# KiCad board project.kicad_pcb
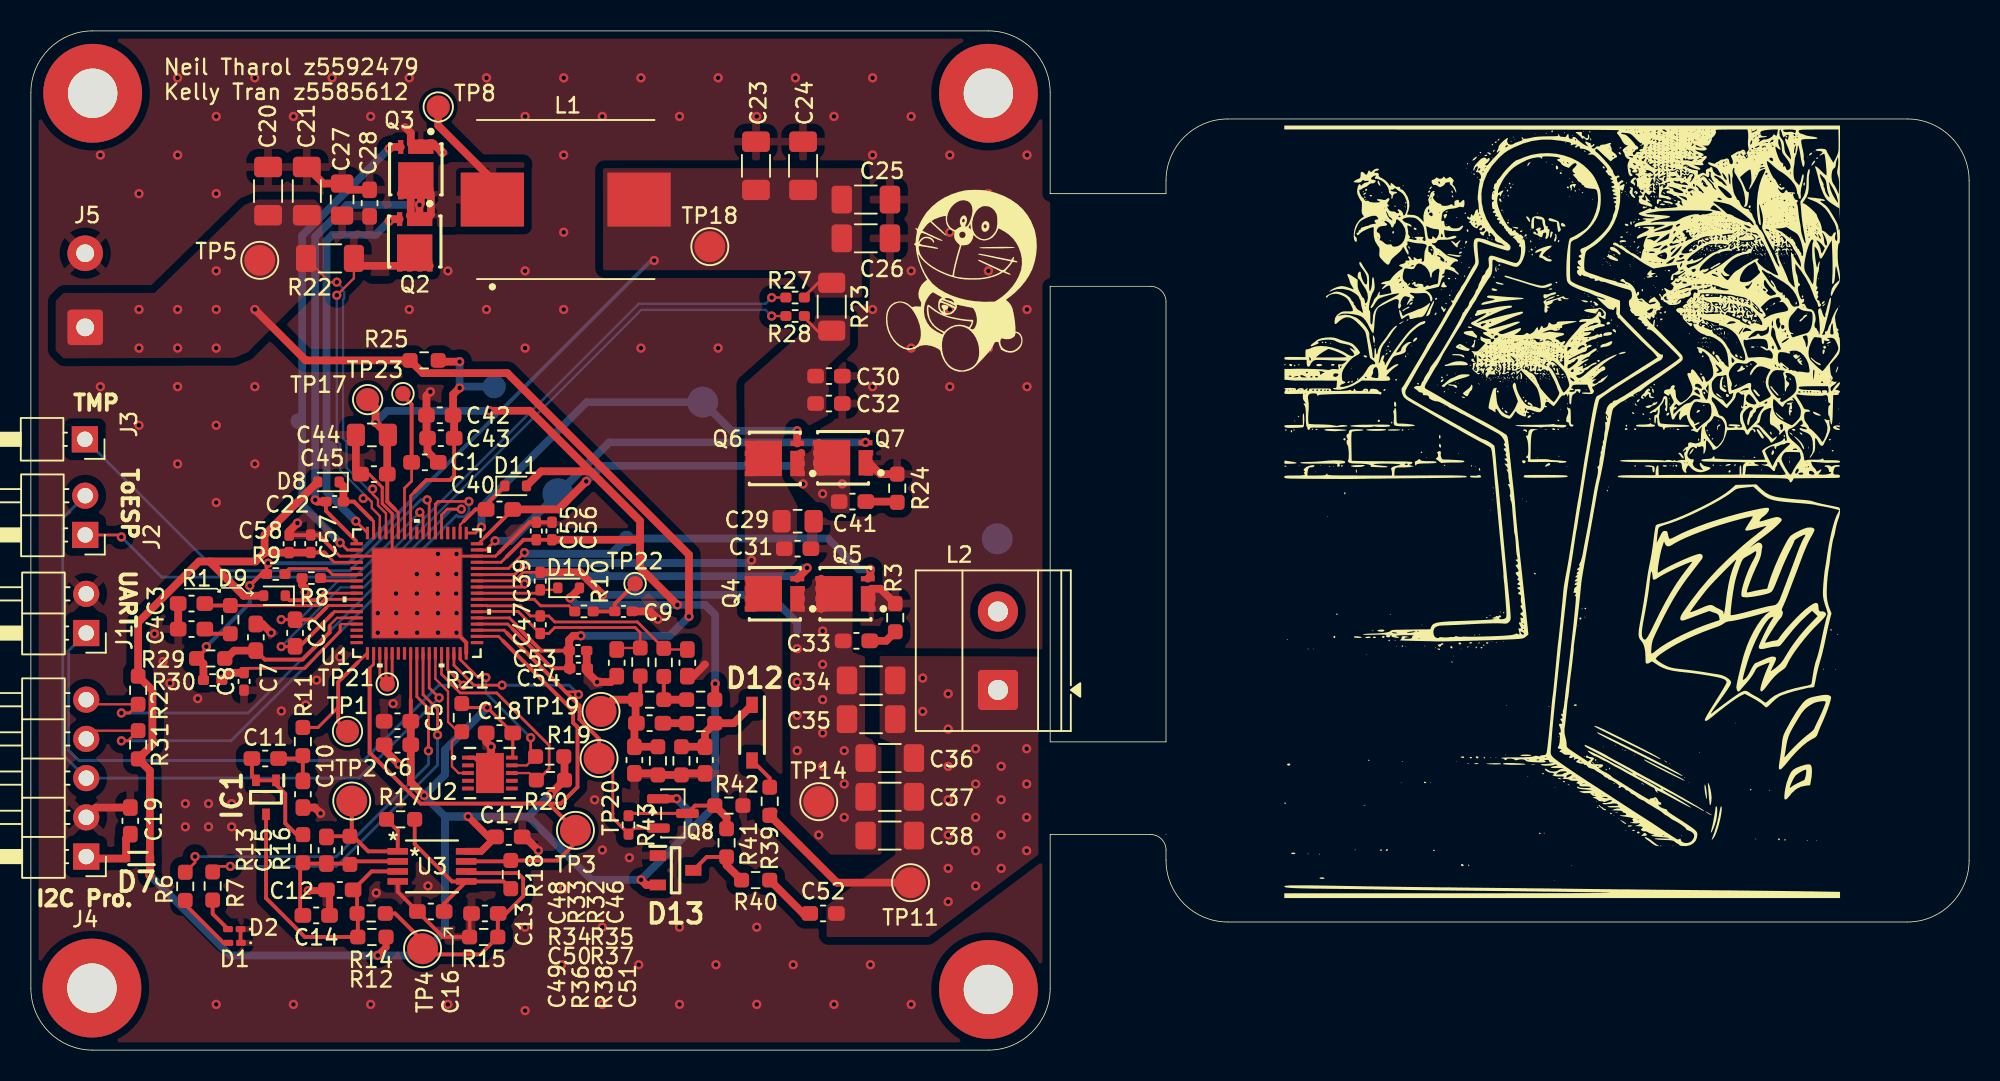
[diagram p0: board, top side]
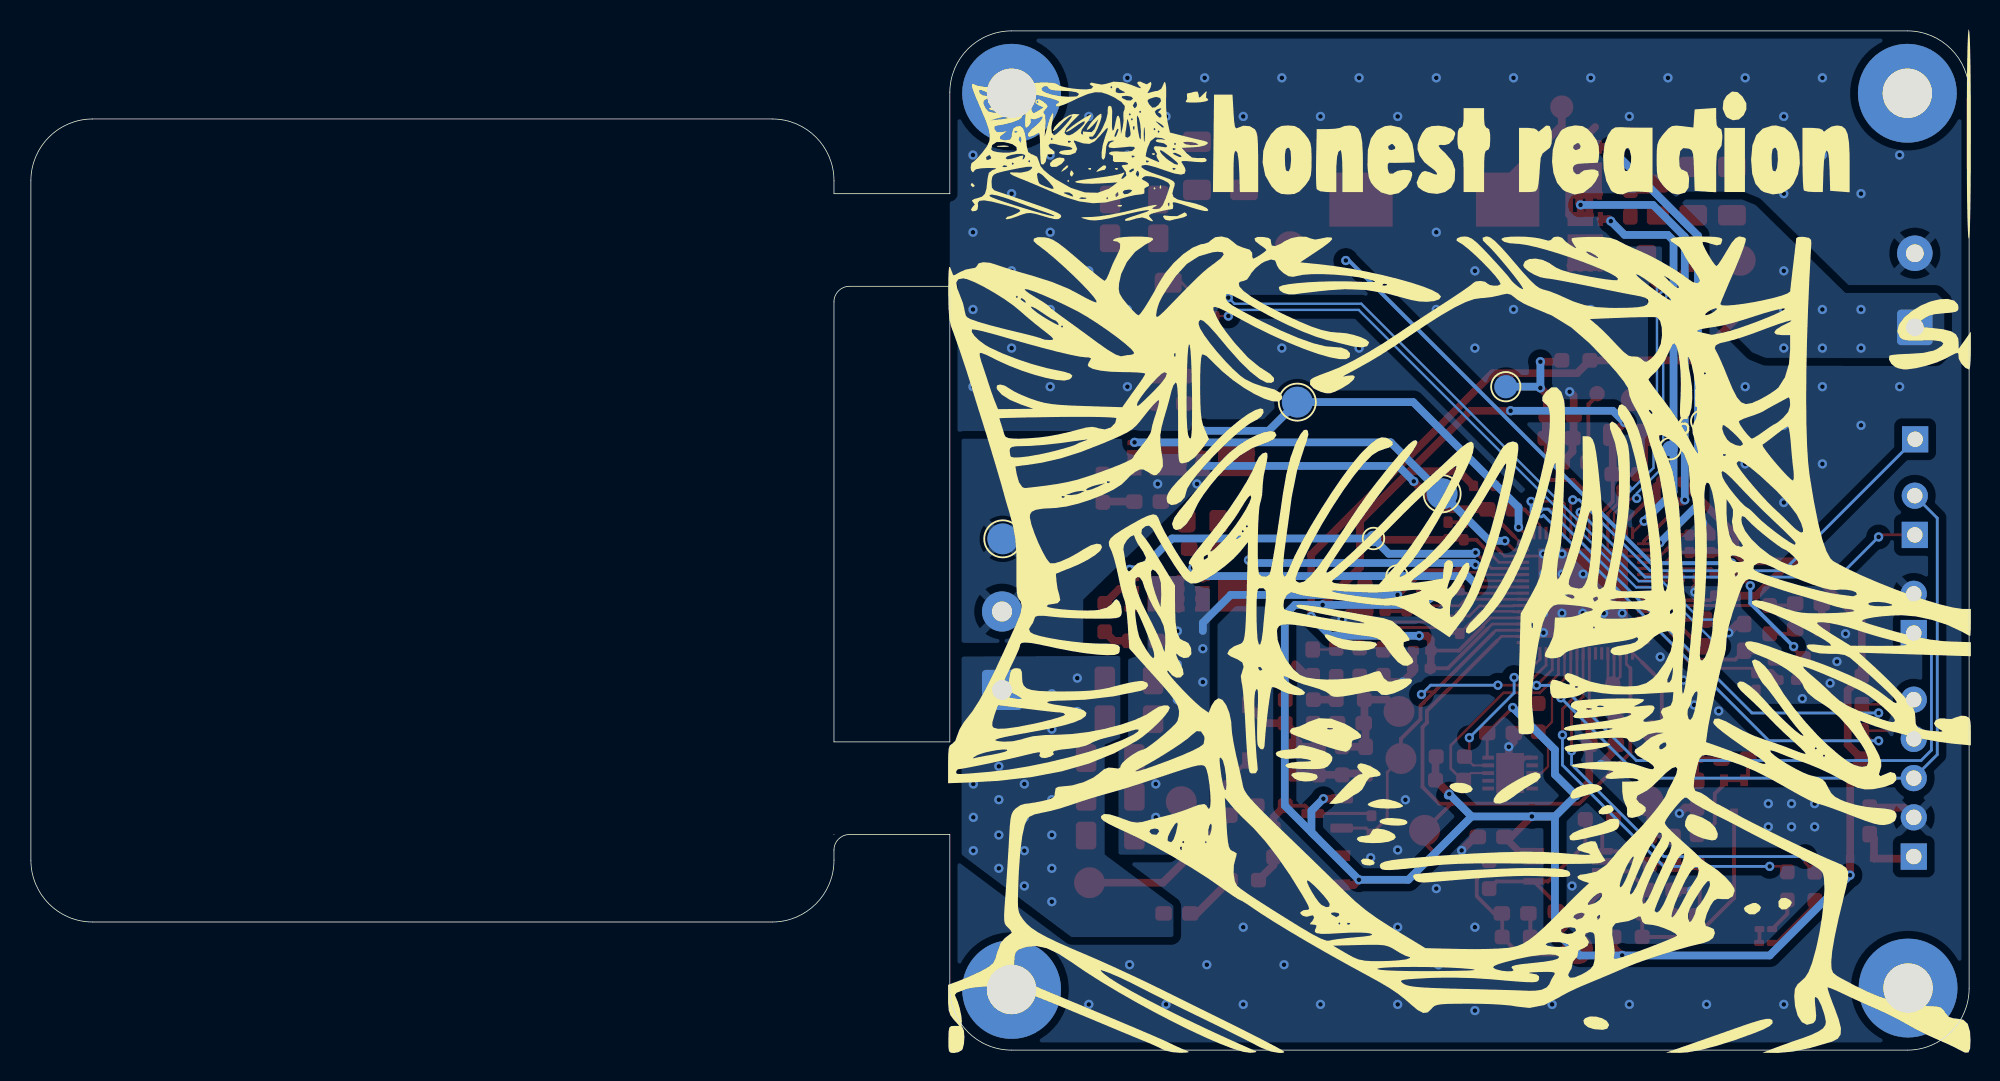
[diagram p1: board, bottom side, seen from below]

Outline 125.5 x 66 mm; copper layers: Top, Bottom. Coordinates in mm from the lower left corner of the outline.
Outline path: 0,62 arc(1.17,64.83) 4,66 62,66 arc(64.83,64.83) 66,62 66,55.46 73.5,55.46 73.5,56.3 arc(74.67,59.12) 77.5,60.3 121.5,60.3 arc(124.33,59.12) 125.5,56.3 125.5,12.3 arc(124.33,9.47) 121.5,8.3 77.5,8.3 arc(74.67,9.47) 73.5,12.3 73.5,12.96 arc(73.21,13.67) 72.5,13.96 66,13.96 66,4 arc(64.83,1.17) 62,0 4,0 arc(1.17,1.17) 0,4 0,62 ; 66,49.46 66,19.96 73.5,19.96 73.5,48.46 arc(73.21,49.17) 72.5,49.46 66,49.46
Stack: Top 0.035mm / dielectric 1.51mm FR4 er 4.5 / Bottom 0.035mm

## Placement (name value [footprint] x y rotation side)
C1  0.1u  [C_0603_1608Metric_Pad1.08x0.95mm_HandSolder]  25.51 38.06 0 top
C2  2.2u  [C_0603_1608Metric_Pad1.08x0.95mm_HandSolder]  17.11 27.01 270 top
C3  1n  [C_0603_1608Metric_Pad1.08x0.95mm_HandSolder]  10.4 28.92 0 top
C4  0.47u  [C_0603_1608Metric_Pad1.08x0.95mm_HandSolder]  10.4 27.26 0 top
C5  0.1u  [C_0603_1608Metric_Pad1.08x0.95mm_HandSolder]  23.74 21.3 0 top
C6  1u  [C_0603_1608Metric_Pad1.08x0.95mm_HandSolder]  23.74 19.77 0 top
C7  0.1u  [C_0603_1608Metric_Pad1.08x0.95mm_HandSolder]  14.57 26.73 270 top
C8  0.1u  [C_0402_1005Metric_Pad0.74x0.62mm_HandSolder]  13.8 23.87 90 top
C9  10p  [C_0402_1005Metric_Pad0.74x0.62mm_HandSolder]  38.37 28.41 0 top  (not fitted)
C10  22nf  [C_0603_1608Metric_Pad1.08x0.95mm_HandSolder]  17.61 16.57 270 top
C11  0.22uf  [C_0603_1608Metric_Pad1.08x0.95mm_HandSolder]  15.17 18.88 180 top
C12  22n  [C_0603_1608Metric_Pad1.08x0.95mm_HandSolder]  20 10.37 180 top
C13  0.1u  [C_0603_1608Metric_Pad1.08x0.95mm_HandSolder]  29.4 8.85 180 top
C14  330p  [C_0603_1608Metric_Pad1.08x0.95mm_HandSolder]  18.48 8.72 180 top  (not fitted)
C15  150p  [C_0603_1608Metric_Pad1.08x0.95mm_HandSolder]  19.14 12.94 90 top
C16  10n  [C_0603_1608Metric_Pad1.08x0.95mm_HandSolder]  25.89 8.98 0 top  (not fitted)
C17  0.1u  [C_0603_1608Metric_Pad1.08x0.95mm_HandSolder]  30.95 13.8 0 top
C18  1u  [C_0603_1608Metric_Pad1.08x0.95mm_HandSolder]  30.34 20.53 0 top
C19  0.1u  [C_0603_1608Metric_Pad1.08x0.95mm_HandSolder]  6.44 14.85 90 top
C20  22u  [C_1206_3216Metric_Pad1.33x1.80mm_HandSolder]  15.36 55.62 90 top
C21  22u  [C_1206_3216Metric_Pad1.33x1.80mm_HandSolder]  17.87 55.62 90 top
C22  0.1u  [C_0402_1005Metric_Pad0.74x0.62mm_HandSolder]  19.67 35.52 0 top
C23  22u  [C_1206_3216Metric_Pad1.33x1.80mm_HandSolder]  46.95 57.26 90 top
C24  22u  [C_1206_3216Metric_Pad1.33x1.80mm_HandSolder]  50 57.26 90 top
C25  22u  [C_1206_3216Metric_Pad1.33x1.80mm_HandSolder]  54.06 55.08 0 top
C26  22u  [C_1206_3216Metric_Pad1.33x1.80mm_HandSolder]  54.06 52.57 0 top
C27  4.7u  [C_0805_2012Metric_Pad1.18x1.45mm_HandSolder]  20.15 55.08 90 top
C28  10n  [C_0603_1608Metric_Pad1.08x0.95mm_HandSolder]  21.93 54.85 90 top
C29  22u  [C_0805_2012Metric_Pad1.18x1.45mm_HandSolder]  49.64 34.25 0 top
C30  22u  [C_0603_1608Metric_Pad1.08x0.95mm_HandSolder]  51.68 43.65 0 top
C31  0.1u  [C_0603_1608Metric_Pad1.08x0.95mm_HandSolder]  49.64 32.47 0 top
C32  0.1u  [C_0603_1608Metric_Pad1.08x0.95mm_HandSolder]  51.68 41.87 0 top
C33  10n  [C_0603_1608Metric_Pad1.08x0.95mm_HandSolder]  53.45 26.5 0 top
C34  0.1u  [C_1206_3216Metric_Pad1.33x1.80mm_HandSolder]  54.4 23.94 0 top
C35  0.1u  [C_1206_3216Metric_Pad1.33x1.80mm_HandSolder]  54.4 21.43 0 top
C36  0.1u  [C_1206_3216Metric_Pad1.33x1.80mm_HandSolder]  55.61 18.91 0 top
C37  0.1u  [C_1206_3216Metric_Pad1.33x1.80mm_HandSolder]  55.61 16.4 0 top
C38  0.1u  [C_1206_3216Metric_Pad1.33x1.80mm_HandSolder]  55.61 13.89 0 top
C39  0.1u  [C_0402_1005Metric_Pad0.74x0.62mm_HandSolder]  32.98 30.37 90 top
C40  0.1u  [C_0603_1608Metric_Pad1.08x0.95mm_HandSolder]  30.34 35.01 0 top
C41  10n  [C_0603_1608Metric_Pad1.08x0.95mm_HandSolder]  53.2 35.52 0 top
C42  1u  [C_0603_1608Metric_Pad1.08x0.95mm_HandSolder]  26.48 41.11 0 top
C43  0.1u  [C_0603_1608Metric_Pad1.08x0.95mm_HandSolder]  26.54 39.62 0 top
C44  1u  [C_0805_2012Metric_Pad1.18x1.45mm_HandSolder]  22.08 39.84 0 top
C45  0.1u  [C_0603_1608Metric_Pad1.08x0.95mm_HandSolder]  22.21 37.3 0 top
C46  10n  [C_0603_1608Metric_Pad1.08x0.95mm_HandSolder]  42.51 25.08 270 top
C47  470n  [C_0402_1005Metric_Pad0.74x0.62mm_HandSolder]  32.98 27.55 90 top
C48  10n  [C_0603_1608Metric_Pad1.08x0.95mm_HandSolder]  37.93 25.08 270 top
C49  0.1u  [C_0603_1608Metric_Pad1.08x0.95mm_HandSolder]  39.08 18.78 90 top  (not fitted)
C50  100n  [C_0603_1608Metric_Pad1.08x0.95mm_HandSolder]  40.07 21.17 180 top
C51  5.6n  [C_0603_1608Metric_Pad1.08x0.95mm_HandSolder]  43.65 18.78 90 top
C52  1n  [C_0603_1608Metric_Pad1.08x0.95mm_HandSolder]  51.29 8.85 0 top
C53  0.1u  [C_0402_1005Metric_Pad0.74x0.62mm_HandSolder]  35.42 25.87 0 top
C54  0.1u  [C_0402_1005Metric_Pad0.74x0.62mm_HandSolder]  35.46 24.72 0 top
C55  0.1u  [C_0402_1005Metric_Pad0.74x0.62mm_HandSolder]  32.73 33.61 270 top
C56  1u  [C_0402_1005Metric_Pad0.74x0.62mm_HandSolder]  33.74 33.61 270 top
C57  0.1u  [C_0402_1005Metric_Pad0.74x0.62mm_HandSolder]  18.12 32.79 270 top
C58  1u  [C_0402_1005Metric_Pad0.74x0.62mm_HandSolder]  16.72 32.79 270 top
D1  LED  [LED_0201_0603Metric_Pad0.64x0.40mm_HandSolder]  13.19 6.94 180 top
D2  LED  [LED_0201_0603Metric_Pad0.64x0.40mm_HandSolder]  13.17 7.83 180 top
D7  BAT64T5Q-7-F  [SODFL1608X65N]  6.93 12.41 180 top
D8  RB511SM-40FHT2R  [D_SOD-523]  19.26 36.79 180 top
D9  RB511SM-40FHT2R  [D_SOD-523]  15.77 29.42 180 top
D10  RB511SM-40FHT2R  [D_SOD-523]  34.82 29.93 0 top
D11  RB511SM-40FHT2R  [D_SOD-523]  31.39 36.54 0 top
D12  1N4448W-TP  [SOD3716X135N]  46.7 20.56 270 top
D13  MMBD1503A  [SOT95P240X120-3N]  41.74 11.64 0 top
G***  -  [LOGO]  60.25 49.71 0 top
G***#2  -  [LOGO]  99.15 34.86 0 top
G***#3  -  [LOGO]  33 32.96 180 bottom
H1  MountingHole  [MountingHole_3.2mm_M3_Pad]  3.95 4.02 0 top
H2  MountingHole  [MountingHole_3.2mm_M3_Pad]  4 61.96 0 top
H3  MountingHole  [MountingHole_3.2mm_M3_Pad]  62 3.93 0 top
H4  MountingHole  [MountingHole_3.2mm_M3_Pad]  62 61.96 0 top
IC1  BAT5404WH6327XTSA1  [SOT65P210X100-3N]  15.22 16.37 270 top
J1  Conn_01x02_Pin  [PinHeader_1x02_P2.54mm_Horizontal]  3.58 27.01 180 top
J2  Conn_01x02_Pin  [PinHeader_1x02_P2.54mm_Horizontal]  3.52 33.36 180 top
J3  Conn_01x01_Pin  [PinHeader_1x01_P2.54mm_Horizontal]  3.5 39.55 180 top
J4  Conn_01x05_Socket  [PinHeader_1x05_P2.54mm_Horizontal]  3.58 12.53 180 top
J5  Conn_01x02  [SolderWire-0.5sqmm_1x02_P4.8mm_D0.9mm_OD2.3mm]  3.51 46.8 90 top
L1  PA4342.682NLT  [Yageo_Pulse_PA4342_10.3x11.5mm]  34.63 55.08 90 top
L2  MP-A11  [TerminalBlock_Phoenix_MKDS-1,5-2-5.08_1x02_P5.08mm_Horizontal]  62.62 23.32 90 top
Q2  BSZ0902NS  [IFX-PG-TSDSON-8-26-V]  24.85 52.41 270 top
Q3  BSZ0902NS  [IFX-PG-TSDSON-8-26-V]  24.92 57.08 270 top
Q4  BSZ0902NS  [IFX-PG-TSDSON-8-26-V]  48.22 29.55 180 top
Q5  BSZ0902NS  [IFX-PG-TSDSON-8-26-V]  52.79 29.55 180 top
Q6  BSZ0902NS  [IFX-PG-TSDSON-8-26-V]  48.22 38.31 180 top
Q7  BSZ0902NS  [IFX-PG-TSDSON-8-26-V]  52.64 38.35 180 top
Q8  BSS138N  [SOT-23]  41.57 15.33 0 top
R1  1k  [R_0603_1608Metric_Pad0.98x0.95mm_HandSolder]  12.91 27.88 90 top
R2  5.1k  [R_0603_1608Metric_Pad0.98x0.95mm_HandSolder]  6.95 23.3 90 top
R3  0  [R_0603_1608Metric_Pad0.98x0.95mm_HandSolder]  55.97 28 90 top
R6  1k  [R_0603_1608Metric_Pad0.98x0.95mm_HandSolder]  9.99 10.6 90 top
R7  1k  [R_0603_1608Metric_Pad0.98x0.95mm_HandSolder]  11.77 10.63 90 top
R8  0  [R_0402_1005Metric_Pad0.72x0.64mm_HandSolder]  18.16 30.57 0 top
R9  0  [R_0402_1005Metric_Pad0.72x0.64mm_HandSolder]  15.86 30.83 180 top
R10  0  [R_0402_1005Metric_Pad0.72x0.64mm_HandSolder]  35.81 28.41 0 top
R11  1k  [R_0603_1608Metric_Pad0.98x0.95mm_HandSolder]  17.61 19.98 270 top
R12  27k  [R_0603_1608Metric_Pad0.98x0.95mm_HandSolder]  22.08 7.33 180 top
R13  5.1k  [R_0603_1608Metric_Pad0.98x0.95mm_HandSolder]  17.61 13.04 270 top
R14  390  [R_0603_1608Metric_Pad0.98x0.95mm_HandSolder]  22.03 8.85 0 top
R15  10k  [R_0603_1608Metric_Pad0.98x0.95mm_HandSolder]  29.32 7.33 180 top
R16  100k  [R_0603_1608Metric_Pad0.98x0.95mm_HandSolder]  20.66 12.94 90 top
R17  0  [R_0603_1608Metric_Pad0.98x0.95mm_HandSolder]  23.94 14.95 0 top
R18  1M  [R_0603_1608Metric_Pad0.98x0.95mm_HandSolder]  31.08 11.37 90 top  (not fitted)
R19  10k  [R_0603_1608Metric_Pad0.98x0.95mm_HandSolder]  33.59 19.01 180 top  (not fitted)
R20  5.1k  [R_0603_1608Metric_Pad0.98x0.95mm_HandSolder]  33.64 17.49 180 top
R21  5.1k  [R_0603_1608Metric_Pad0.98x0.95mm_HandSolder]  27.9 21.53 270 top
R22  0.005  [R_1206_3216Metric_Pad1.30x1.75mm_HandSolder]  19.37 51.27 0 top
R23  0.01  [R_1206_3216Metric_Pad1.30x1.75mm_HandSolder]  51.85 48.14 270 top
R24  0  [R_0603_1608Metric_Pad0.98x0.95mm_HandSolder]  56.09 36.39 90 top
R25  0  [R_0603_1608Metric_Pad0.98x0.95mm_HandSolder]  25.46 44.66 0 top
R27  10  [R_0402_1005Metric_Pad0.72x0.64mm_HandSolder]  49.48 48.73 180 top
R28  10  [R_0402_1005Metric_Pad0.72x0.64mm_HandSolder]  49.49 47.54 180 top
R29  0  [R_0603_1608Metric_Pad0.98x0.95mm_HandSolder]  11.64 25.36 0 top
R30  0  [R_0402_1005Metric_Pad0.72x0.64mm_HandSolder]  11.77 23.96 0 top
R31  5.1k  [R_0603_1608Metric_Pad0.98x0.95mm_HandSolder]  6.95 19.77 270 top
R32  10  [R_0603_1608Metric_Pad0.98x0.95mm_HandSolder]  40.98 25.11 270 top
R33  10  [R_0603_1608Metric_Pad0.98x0.95mm_HandSolder]  39.46 25.13 270 top
R34  62  [R_0603_1608Metric_Pad0.98x0.95mm_HandSolder]  40.07 22.69 0 top
R35  2.2k  [R_0603_1608Metric_Pad0.98x0.95mm_HandSolder]  43.37 22.69 0 top
R36  130k  [R_0603_1608Metric_Pad0.98x0.95mm_HandSolder]  40.6 18.73 90 top
R37  0  [R_0603_1608Metric_Pad0.98x0.95mm_HandSolder]  43.37 21.17 0 top
R38  100k  [R_0603_1608Metric_Pad0.98x0.95mm_HandSolder]  42.12 18.73 90 top
R39  5.1k  [R_0603_1608Metric_Pad0.98x0.95mm_HandSolder]  47.84 16.11 270 top
R40  36k  [R_0603_1608Metric_Pad0.98x0.95mm_HandSolder]  46.93 11.01 180 top
R41  3.6k  [R_0603_1608Metric_Pad0.98x0.95mm_HandSolder]  45.05 13.42 90 top
R42  20k  [R_0603_1608Metric_Pad0.98x0.95mm_HandSolder]  45.2 15.83 0 top
R43  0  [R_0402_1005Metric_Pad0.72x0.64mm_HandSolder]  38.7 14.58 270 top
TP1  ASK_OUT  [TestPoint_Pad_D1.5mm]  20.5 20.64 0 top
TP2  OPAMP_GAIN  [TestPoint_Pad_D2.0mm]  20.78 16.13 0 top
TP3  OPAMP_CMP  [TestPoint_Pad_D2.0mm]  35.26 14.23 0 top
TP4  CMP_REF  [TestPoint_Pad_D2.0mm]  25.36 6.56 0 top
TP5  PVIN_0  [TestPoint_Pad_D2.0mm]  14.82 51.14 0 top
TP6  HG1_0  [TestPoint_Pad_D1.0mm]  19.36 38.95 180 bottom
TP7  LG1_0  [TestPoint_Pad_D1.0mm]  17.31 40.73 180 bottom
TP8  SW1_0  [TestPoint_Pad_D1.5mm]  26.38 61.07 0 top
TP9  HG2_1  [TestPoint_Pad_D1.0mm]  37.04 30.69 180 bottom
TP10  LG2_1  [TestPoint_Pad_D1.0mm]  38.57 33.13 180 bottom
TP11  COIL_SNS  [TestPoint_Pad_D2.0mm]  56.95 10.84 0 top
TP12  HG1_1  [TestPoint_Pad_D2.0mm]  43.5 41.96 180 bottom
TP13  LG1_1  [TestPoint_Pad_D2.0mm]  34.12 36.03 180 bottom
TP14  SW2_1  [TestPoint_Pad_D2.0mm]  51.01 16.09 0 top
TP15  SW1_1  [TestPoint_Pad_D2.0mm]  62.57 33.11 180 bottom
TP16  Vin  [TestPoint_Pad_D1.5mm]  30 42.96 180 bottom
TP17  VDDD  [TestPoint_Pad_D1.5mm]  21.8 42.12 0 top
TP18  VBRG_0  [TestPoint_Pad_D2.0mm]  43.96 52.03 0 top
TP19  V2I_IP  [TestPoint_Pad_D2.0mm]  36.92 21.93 0 top
TP20  Q_COMP  [TestPoint_Pad_D2.0mm]  36.79 18.88 0 top
TP21  PWN_OUT  [TestPoint_Pad_D1.0mm]  23.07 23.71 0 top
TP22  ASK_TST  [TestPoint_Pad_D1.0mm]  39.12 30.2 0 top
TP23  VCCD  [TestPoint_Pad_D1.0mm]  24.09 42.5 0 top
U1  WLC1115-68LQXQ  [PG-VQFN-68]  24.99 29.59 0 top
U2  SLS32AIA020U2USON10XTMA1  [PG-USON-10-2]  29.72 17.94 0 top
U3  LMV358AQDGKRQ1  [DGK8_TEX]  25.97 11.9 0 top

## Library data of the parts
C1-C58 = -: Description: Unpolarized capacitor; KiLib_Generator: SMD_2terminal_chip_molded; ki_fp_filters: C_*
D1 D2 = -: Description: Light emitting diode; KiLib_Generator: SMD_2terminal_chip_molded; Sim.Pins: 1=K 2=A; ki_fp_filters: LED* LED_SMD:* LED_THT:*
D7 = -: Datasheet: https://www.diodes.com/assets/Datasheets/BAT64T5Q.pdf; Description: Surface Mount Diode Schottky; Height: 0.65; Manufacturer_Name: Diodes Incorporated; Mouser Part Number: 621-BAT64T5Q-7-F; Mouser Price/Stock: https://www.mouser.co.uk/ProductDetail/Diodes-Incorporated/BAT64T5Q-7-F?qs=OTrKUuiFdkYz3CT6Rf7iGg%3D%3D; Arrow Price/Stock: https://www.arrow.com/en/products/bat64t5q-7-f/diodes-incorporated?utm_currency=USD&region=europe
D8-D11 = -: Datasheet: https://componentsearchengine.com/Datasheets/2/RB511SM-40FHT2R.pdf; Description: ROHM - RB511SM-40FHT2R - Schottky Rectifier, 40 V, 100 mA, Single, SOD-523, 2 Pins, 410 mV; Height: 0.7; Manufacturer_Name: ROHM Semiconductor; Mouser Part Number: 755-RB511SM-40FHT2R; Mouser Price/Stock: https://www.mouser.co.uk/ProductDetail/ROHM-Semiconductor/RB511SM-40FHT2R?qs=4v%252BiZTmLVHERBXtjsaC%252BFg%3D%3D
D12 = -: Datasheet: https://mccsemi.com/pdf/Products/1N4448W(SOD-123).pdf; Description: 500mW,100V Switching Diode; Height: 1.35; Manufacturer_Name: MCC; Mouser Part Number: 833-1N4448W-TP; Mouser Price/Stock: https://www.mouser.co.uk/ProductDetail/Micro-Commercial-Components-MCC/1N4448W-TP?qs=KFo7JewZbUFALNIoK2AHyA%3D%3D; Arrow Price/Stock: https://www.arrow.com/en/products/1n4448w-tp/micro-commercial-components?utm_currency=USD&region=europe
D13 = -: Datasheet: https://www.onsemi.com/pub/Collateral/MMBD1501-D.PDF; Description: High Conductance Low Leakage Diode; Height: 1.2; Manufacturer_Name: onsemi; Mouser Part Number: 512-MMBD1503A; Mouser Price/Stock: https://www.mouser.co.uk/ProductDetail/onsemi-Fairchild/MMBD1503A?qs=7oZ3HZRjbRmGCcKCTuDPOA%3D%3D; Arrow Price/Stock: https://www.arrow.com/en/products/mmbd1503a/on-semiconductor?utm_currency=USD&region=europe
H1-H4 = -: Description: Mounting Hole without connection; KiLib_Generator: mounting_hardware/mounting_hole; ki_fp_filters: MountingHole*
IC1 = -: Datasheet: https://www.infineon.com/dgdl/Infineon-BAT54SERIES-DS-v01_01-en.pdf?fileId=db3a304314dca3890115190b74210ea6; Description: Diode Schottky Si 0.2A Automotive 3-Pin SOT-323 T/R; Height: 1; Manufacturer_Name: Infineon; Mouser Part Number: N/A; Mouser Price/Stock: https://www.mouser.co.uk/ProductDetail/Infineon-Technologies/BAT5404WH6327XTSA1?qs=K00xGehIljvYT9P6%252BnkRKQ%3D%3D; Arrow Price/Stock: https://www.arrow.com/en/products/bat5404wh6327xtsa1/infineon-technologies-ag?region=europe
J1 J2 = -: Description: Generic connector, single row, 01x02, script generated; KiLib_Generator: connector/pin_header_socket; ki_fp_filters: Connector*:*_1x??_*
J3 = -: Description: Generic connector, single row, 01x01, script generated; KiLib_Generator: connector/pin_header_socket; ki_fp_filters: Connector*:*_1x??_*
J4 = -: Description: Generic connector, single row, 01x05, script generated; KiLib_Generator: connector/pin_header_socket; ki_fp_filters: Connector*:*_1x??_*
J5 = -: Description: Generic connector, single row, 01x02, script generated (kicad-library-utils/schlib/autogen/connector/); KiLib_Generator: connector/wire; ki_fp_filters: Connector*:*_1x??_*
L1 = -: Datasheet: https://yageogroup.com/content/datasheet/asset/file/DATASHEET_P769; Description: High current molded shielded SMT power inductor, 6.8 uH, 8.5 A rated current; Manufacturer: YAGEO Group / Pulse Electronics; Package: Yageo_Pulse_PA4342_10.3x11.5mm
L2 = -: Description: Inductor; KiLib_Generator: terminal_block/Phoenix; ki_fp_filters: Choke_* *Coil* Inductor_* L_*
Q2-Q7 = -: Description: Insulated-Gate Field-Effect Transistor (IGFET), N-Channel, Enhancement, Body Diode, Pin 1 Source, 2 Source, 3 Source, 4 Gate, 5 Drain, 6 Drain, 7 Drain, 8 Drain, 8 Pins; PackageReference: PG-TSDSON-8-26; Manufacturer: Infineon Technologies
Q8 = -: Datasheet: https://www.onsemi.com/pub/Collateral/BSS138-D.PDF; Description: 50V Vds, 0.22A Id, N-Channel MOSFET, SOT-23; KiLib_Generator: package/gullwing; ki_fp_filters: SOT?23*
R1-R3 R6-R25 R27-R43 = -: Description: Resistor; KiLib_Generator: SMD_2terminal_chip_molded; ki_fp_filters: R_*
TP1-TP23 = -: Description: test point (alternative probe-style design); ki_fp_filters: Pin* Test*
U1 = -: ki_fp_filters: PG-VQFN-68 PG-VQFN-68-M PG-VQFN-68-L
U2 = -: ki_fp_filters: PG-USON-10-2 PG-USON-10-2-M PG-USON-10-2-L
U3 = -: Datasheet: https://www.ti.com/lit/gpn/lmv358a-q1; ki_fp_filters: DGK8_TEX DGK8_TEX-M DGK8_TEX-L
